# Altium PCB MB988.PcbDoc (part 2 of 4) (continued)
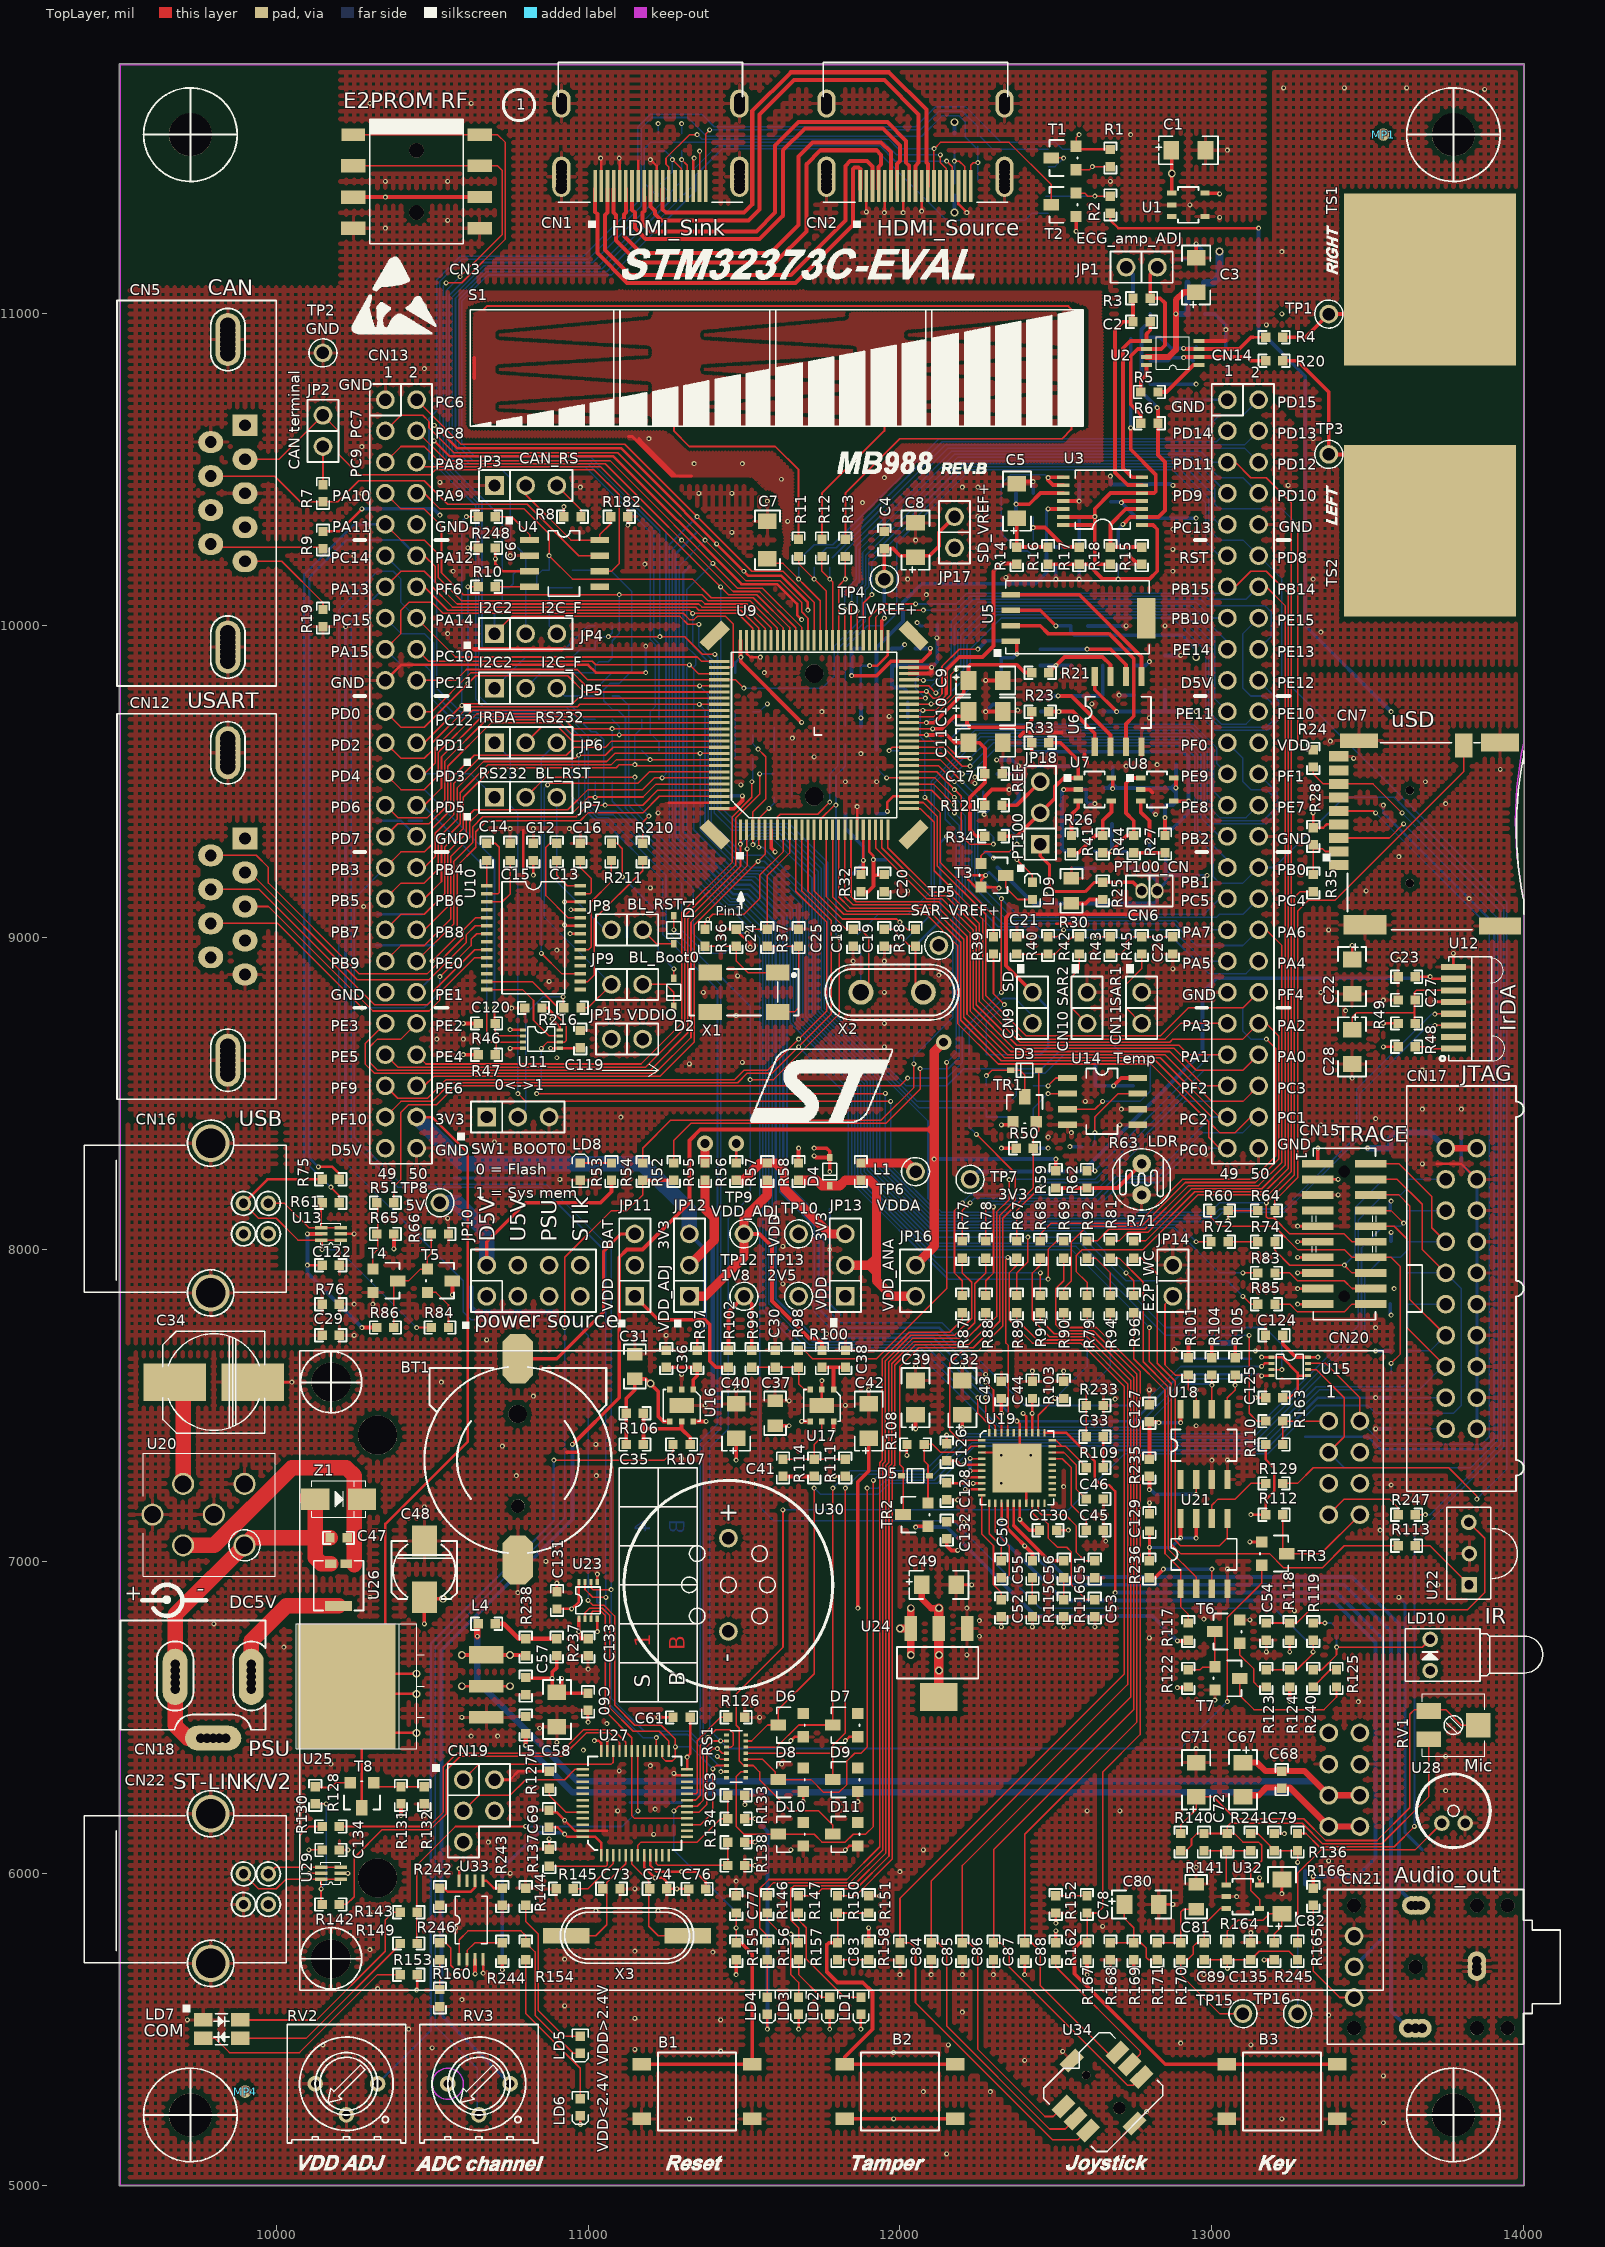
[diagram p0: TopLayer view]
## Nets (pads, with @x,y where several pads share a name; then routed paths per layer and width w, separated by ;. In a path a pad name is that pad's centre, name@x,y a point inside that pad or via, vN(x,y) a via of type N, cw(c..) or ccw(c..) an arc to the next point about the centre after c; other vN are vias at no path point) (continued)
HDMI_5V_SINK: CN1.18 R1.1 R172.2 R173.2 SB3.1 T1.1 | length 386.7
  TopLayer w5: CN1.18@11357.48,11410 v1(11357.48,11522.52) ; T1.1@12565,11537.5 12565,11565 v1(12575,11575)
  TopLayer w8: T1.1@12562.5,11527.5 R1.1@12675,11527.5
  BottomLayer w5: R173.2@11225,11577.5 v1(11225,11610) ; R172.2@11300,11577.5 v1(11300,11610)
  BottomLayer w12: v2(12175,11325) SB3.1@12175,11380
HDMI_5V_SOURCE: C1.1 R174.1 U1.1 | length 173.2
  TopLayer w12: U1.1@12871.85,11387.4 C1.1@12871.85,11523.15
  BottomLayer w12: R174.1@12175,11577.5 v2(12175,11615)
  other v2: 12871.85,11450
IRDA_RXD: JP6.1 U12.4 | length 4791.9
  TopLayer w5: v1(10775,8500) 10800,8475 v1(11970,8475) ; v1@13716.3,8756.3 U12.4@13775,8756.3
  BottomLayer w5: JP6.1@10700,9625 10750,9575 10750,9425 10775,9400 v1(10775,8500) ; v1(11970,8475) 11970,8269.14 12129.14,8110 13005,8110 13025,8130 13230,8130 13465,8365 13465,8515 13705,8755 v1(13715,8755)
LED_STLINK: R143.1 R149.1 U27.30 | length 1224.7
  TopLayer w5: R149.1@10450,5777.5 10450,6025 10575,6150 v1(10800,6150) ; R143.1@10452.5,5872.5 R143.1@10452.5,5875 ; v1@11159.84,6200.16 U27.30@11159.84,6392.32
  BottomLayer w5: v1(10800,6150) 11110,6150 v1(11160,6200)
MCO: U27.29
NetB3_2: B3.2 B3.3 C78.2 R90.1 R167.1 | length 3359.3
  TopLayer w5: R90.1@12527.5,7797.5 R90.1@12525,7797.5 12525,7770 12545,7750 12630,7750 12770,7610 12770,6445 12650,6325 12650,5890 12632.56,5872.56 C78.2@12599.72,5872.56 C78.2@12600,5872.28 ; R167.1@12600,5777.5 C78.2@12600,5872.28 ; C78.2@12602.72,5875 C78.2@12600,5872.28
  TopLayer w12: R167.1@12600,5777.5 12577.5,5777.5 12560,5760 12560,5678 12850.5,5387.5 B3.3@13402.17,5387.5
NetBT1_1: BT1.1 JP11.3 | length 654.9
  TopLayer w10: BT1.1@10775,7650 10900,7650 11050,7800 11050,7995 11105,8050 JP11.3@11150,8050
NetC2_2: C2.2 R3.1 U3.6 | length 694.1
  TopLayer w12: C2.2@12747.5,10985 R3.1@12747.5,11050 ; C2.2@12747.56,10975.28 12715.28,10975.28 12690,10950 12690,10491.66 12730.48,10451.18 U3.6@12775.98,10451.18
NetC13_1: C13.1 U10.24 | length 333.9
  TopLayer w5: C13.1@10899.72,9302.56 10877.56,9302.56 10865,9290 10865,9135 10936.02,9063.98 U10.24@10974.61,9063.98
NetC13_2: C13.2 U10.28 | length 136.2
  TopLayer w5: C13.2@10899.72,9247.56 10899.72,9200.28 10933.66,9166.34 U10.28@10974.61,9166.34
NetC14_1: C14.1 U10.1 | length 81
  TopLayer w5: U10.1@10675.39,9166.34 C14.1@10675.39,9247.33
NetC14_2: C14.2 U10.2 | length 231.2
  TopLayer w5: C14.2@10675.28,9302.44 10702.56,9302.44 10715,9290 10715,9145 10710.75,9140.75 U10.2@10675.39,9140.75
NetC19_1: C19.1 R38.2 X2.1 | length 280.6
  TopLayer w5: C19.1@11950,9027.5 11977.5,9027.5 12032.5,8972.5 R38.2@12050,8972.5 12050,8850 X2.1@12075,8825
NetC21_2: C21.2 R40.2 R42.1 | length 222.8
  TopLayer w5: C21.2@12375,8947.5 12497.5,8947.5 12552.5,9002.5 R42.1@12575,9002.5
NetC24_1: C24.1 R36.1 X1.1 | length 296.1
  TopLayer w5: R36.1@11375,8972.5 C24.1@11475,8972.5 11475,8925 11512.01,8887.99 X1.1@11608.27,8887.99
NetC26_2: C26.2 R43.2 R45.1 | length 234.5
  TopLayer w5: R43.2@12675,8947.5 12707.5,8947.5 12725,8965 12725,8985 12742.5,9002.5 C26.2@12875,9002.5
NetC29_2: C29.2 CN16.0 R76.2 | length 50.9
  TopLayer w5: CN16.0@9790,7861 CN16.0@9826,7825
NetC33_2: C33.2 R94.1 R233.1 | length 429.6
  TopLayer w5: C33.2@12597.5,7400 12597.5,7547.5 v1(12600,7550) ; v1(12675,7770) R94.1@12675,7797.5
  BottomLayer w5: v1(12600,7550) 12675,7625 v1(12675,7770)
NetC50_1: C50.1 U19.12 | length 278.3
  TopLayer w5: U19.12@12306.1,7187.01 12306.1,7093.9 12350,7050 12350,6955 12342.5,6947.5 C50.1@12325,6947.5
NetC50_2: C50.2 U19.11 | length 200.5
  TopLayer w5: U19.11@12286.42,7187.01 12286.42,7088.58 12325,7050 C50.2@12325,7002.5
NetC52_1: C52.1 U19.10 | length 360
  TopLayer w5: U19.10@12262.01,7211.42 12262.01,7087.99 12300,7050 12300,6925 12325,6900 C52.1@12325,6877.5
NetC72_2: C72.2 R141.1 R241.2 U32.1 | length 261.4
  TopLayer w5: R141.1@12975,6072.5 R241.2@13125,6072.5 ; U32.1@13046.85,5962.4 13046.85,6069.35 C72.2@13050,6072.5
NetC78_1: C78.1 R152.2 | length 99.7
  TopLayer w5: R152.2@12500.06,5927.56 C78.1@12599.72,5927.56
NetC80_1: C80.1 R168.1 R169.2 R171.1 | length 325.3
  TopLayer w5: R168.1@12675,5777.5 12772.5,5777.5 12790,5760 12790,5730 12797.5,5722.5 R171.1@12825,5722.5 ; C80.1@12720,5900 12720,5855 12750,5825 R169.2@12750,5777.5
NetC82_1: C82.1 R164.2 R245.1 | length 338.1
  TopLayer w5: R164.2@13050,5777.5 13050,5815 13085,5850 13165,5850 13185,5870 C82.1@13225,5870 13225,5830 13200,5805 R245.1@13200,5777.5
NetC83_1: C83.1 R158.2 | length 100
  TopLayer w5: C83.1@11800,5722.5 R158.2@11900,5722.5
NetC83_2: B2.2 B2.3 C83.2 R150.1 R151.1 | length 1103
  TopLayer w5: C83.2@11800,5777.5 R150.1@11800,5872.5 R151.1@11900,5872.5
  TopLayer w12: C83.2@11800,5777.5 11772.5,5777.5 11765,5770 11765,5685 11800,5650 11881,5650 11912,5619 11912,5500 11822.83,5410.84 B2.2@11822.83,5387.5 ; B2.2@11835,5387.5 B2.3@12177.17,5387.5
NetC89_2: C89.2 R170.2 TP15.1 U32.3 | length 563
  TopLayer w5: U32.3@13046.85,5887.6 13027.6,5887.6 12975.28,5835.28 C89.2@12975.28,5777.44 12952.44,5777.44 12940,5765 12940,5740 12922.5,5722.5 R170.2@12900,5722.5 12900,5675 13025,5550 TP15.1@13100,5550
NetC90_2: C3.1 C90.2 L2.1 U2.7 | length 477.5
  TopLayer w20: U2.7@12790.31,10862.2 12862.2,10862.2 12885,10885 12885,11045 12910,11070 C3.1@12950,11070
  BottomLayer w20: v1(12885,11000) 12885.28,10999.72 C90.2@12922.56,10999.72 12922.5,10999.78 L2.1@12922.5,11100
NetC118_2: C118.2 R39.2 R212.1 | length 455.8
  TopLayer w5: R39.2@12300,8947.5 12300,8820 v1(12335,8785)
  BottomLayer w5: v1(12335,8785) 12277.5,8727.5 R212.1@12277.5,8625 C118.2@12372.5,8625
NetCN1_13: CN1.13 CN2.13 T2.3 | length 1637.2
  TopLayer w5: CN1.13@11259.06,11410 11259.06,11470.94 11250,11480 11250,11500 11325,11575 v1(11350,11575) ; CN2.13@12109.06,11400 v1@12109.06,11530 ; v1(12110,11530) 12130,11550 12350,11550 12485,11415 T2.3@12485,11350.5
  BottomLayer w5: v1(11350,11575) 11365,11560 11965,11560 11995,11530 v1(12110,11530)
NetCN6_1: CN6.1 JP18.1 R25.1 | length 468.4
  TopLayer w10: 12450,9262.5 JP18.1@12450,9300 ; 12453.57,9258.93 12480,9232.5 12480,9165 12497.5,9147.5 12593.82,9147.5 12623.82,9177.5 R25.1@12650,9177.5
  TopLayer w12: R25.1@12650,9177.5 12747.5,9177.5 CN6.1@12775,9150
NetCN7_10: CN7.10 R64.1 | length 1792.6
  TopLayer w5: R64.1@13202.5,8125 13202.5,8157.5 13275,8230 13275,9085 13310,9120 13395,9120 13808.23,9533.23 CN7.10@13808.23,9616.93
NetCN13_43: CN13.43 R95.2 | length 1990.3
  TopLayer w5: CN13.43@10350,8625 10390,8585 11185,8585 11310,8710 11310,9070 11472.93,9232.93 11472.93,9382.93 11550,9460 v1(11550,9525)
  BottomLayer w5: v1(11550,9525) R95.2@11597.5,9525
NetCN13_44: CN13.44 R93.2 | length 1860.5
  TopLayer w5: CN13.44@10450,8625 10480,8595 11170,8595 11300,8725 11300,9080 11462.93,9242.93 11462.93,9387.93 11525,9450 v1(11525,9500)
  BottomLayer w5: v1(11525,9500) 11527.5,9502.5 R93.2@11527.5,9575
NetCN14_2: CN14.2 SB8.1 | length 1677
  BottomLayer w5: SB8.1@11683,10218 11725,10260 11785,10260 12125,10600 12950,10600 13025,10675 13100,10675 CN14.2@13150,10725
NetCN14_3: CN14.3 SB9.1 | length 1485.6
  BottomLayer w5: SB9.1@11733,10218 11765,10250 11795.86,10250 12135.86,10590 13015,10590 CN14.3@13050,10625
NetCN14_4: CN14.4 SB10.1 | length 1535.6
  BottomLayer w5: SB10.1@11783,10218 12145,10580 13105,10580 CN14.4@13150,10625
NetCN14_6: CN14.6 SB11.1 | length 1500.3
  BottomLayer w5: SB11.1@11825,10220 11825,10240 12155,10570 13105,10570 CN14.6@13150,10525
NetCN14_16: CN14.16 SB14.1 | length 1896.6
  BottomLayer w5: SB14.1@12168,9792 12215,9839 12215,9940 12310,10035 12890,10035 12990,9935 12990,9710 13025,9675 13175,9675 13200,9700 13200,9745 13170,9775 13125,9775 13100,9800 13100,9975 CN14.16@13150,10025
NetCN14_20: CN14.20 SB13.1 | length 1685.4
  BottomLayer w5: SB13.1@12168,9742 12225,9799 12225,9925 12325,10025 12875,10025 12980,9920 12980,9695 13010,9665 13180,9665 13215,9700 13215,9760 CN14.20@13150,9825
NetCN14_25: CN14.25 SB17.2 | length 988.8
  BottomLayer w5: SB17.2@12163,9700 12178,9685 12940,9685 13015.46,9609.54 13015.46,9559.54 CN14.25@13050,9525
NetCN14_27: CN14.27 SB16.2 | length 1078.4
  BottomLayer w5: SB16.2@12168,9643 12200,9675 12935.86,9675 13005.46,9605.39 13005.46,9469.54 CN14.27@13050,9425
NetCN14_28: CN14.28 SB18.1 | length 1254.2
  BottomLayer w5: SB18.1@12168,9592 12241,9665 12931.72,9665 12995.46,9601.25 12995.46,9414.54 13025,9385 13110,9385 CN14.28@13150,9425
NetCN15_14: CN15.14 R60.1 R230.1 | length 1050.2
  TopLayer w5: R60.1@12997.5,8125 12997.5,8102.5 13025,8075 13200,8075 13275,8000 13425,8000 13450,7975 13575,7975 13605,7945 13605,7665 v1(13575,7635)
  BottomLayer w5: R230.1@13575,7602.5 v1(13575,7635)
NetCN15_16: CN15.16 R74.1 R223.1 | length 714.3
  TopLayer w5: R74.1@13202.5,8025 13202.5,7997.5 13250,7950 v1(13425,7950) 13450,7925 CN15.16@13510,7925
  BottomLayer w5: v1(13425,7950) 13460,7985 13460,8135 13550,8225 R223.1@13572.5,8225
NetCN15_18: CN15.18 R83.1 | length 328.2
  TopLayer w5: R83.1@13202.5,7925 13250,7925 13275,7900 13425,7900 13450,7875 CN15.18@13510,7875
NetCN15_20: CN15.20 R85.1 | length 328.2
  TopLayer w5: R85.1@13202.5,7825 13250,7825 13275,7800 13425,7800 13450,7825 CN15.20@13510,7825
NetCN16_2: CN16.2 R61.2 U13.3 U13.4 | length 343.1
  TopLayer w5: CN16.2@9975,8148 10027,8148 10105.32,8069.69 U13.3@10206.3,8069.69 ; U13.4@10143.7,8069.69 R61.2@10143.7,8146.2 ; R61.2@10145.5,8148 R61.2@10147.5,8150
NetCN16_3: CN16.3 R75.2 R84.2 U13.1 U13.6 | length 1124.5
  TopLayer w5: CN16.3@9895,8148 9943,8100 10000,8100 10069.68,8030.31 U13.1@10206.3,8030.31 ; v1(10147.5,8000) U13.6@10147.5,8026.52 ; v1(10450,7750) R84.2@10497.5,7750
  TopLayer w8: CN16.3@9895,8148 9972,8225 R75.2@10147.5,8225
  BottomLayer w5: v1(10147.5,8000) 10200,8000 v1(10450,7750)
NetCN17_11: CN17.11 R228.1 R229.2 | length 197.5
  BottomLayer w5: R229.2@13627.5,7750 R228.1@13627.5,7825 CN17.11@13750,7825
NetCN17_17: CN17.17 R232.2 | length 122.5
  BottomLayer w5: R232.2@13627.5,7525 CN17.17@13750,7525
NetCN17_19: CN17.19 R234.2 | length 122.5
  BottomLayer w5: R234.2@13627.5,7425 CN17.19@13750,7425
NetCN18_1: CN18.1 U26.1 | length 481.6
  TopLayer w50: CN18.1@9920,6590 9920,6745 10032.5,6857.5 U26.1@10200,6857.5
NetCN18_3: C47.2 CN18.2 CN18.3 U20.2 U26.2 Z1.1 | length 1363.3
  TopLayer w50: CN18.2@9817.95,6433.15 9716.85,6433.15 9675.91,6474.1 9675.91,6829.05 9922.13,7075.28 C47.2@10172.56,7075.28 ; Z1.1@10100,7200 Z1.1@10100,7205 ; Z1.1@10125.2,7200 10125.2,7012.3 10145,6992.5 U26.2@10175,6992.5
NetCN22_2: CN22.2 R130.2 U29.3 U29.4 | length 425.5
  TopLayer w5: CN22.2@9975,5998 9996.68,6019.69 U29.3@10206.3,6019.69 ; 10075,6019.69 10075,6120 10105,6150 R130.2@10147.5,6150
NetCN22_3: CN22.3 R128.2 R142.2 U29.1 U29.6 | length 734.5
  TopLayer w5: CN22.3@9895,5998 9943,5950 10000,5950 10030.32,5980.31 U29.1@10206.3,5980.31 ; R128.2@10125,6222.5 v1(10160,6222.5) ; R142.2@10143.7,5903.8 U29.6@10143.7,5980.31
  BottomLayer w5: v1(10143.7,5950) 10160,5966.3 v1(10160,6222.5)
NetD2_1: D2.1 R211.1 | length 525.6
  TopLayer w5: R211.1@11075,9302.5 11092.5,9302.5 11110,9285 v1(11110,9195) ; D2.1@11275,8870 v1(11275,8900)
  BottomLayer w5: v1(11110,9195) 11225,9080 11225,8950 v1(11275,8900)
NetD3_1: D3.1 R50.1 TR1.1 U19.1 | length 1417.4
  TopLayer w5: U19.1@12262.01,7388.58 12191.42,7388.58 12160,7420 12160,7635 12200,7675 12250,7675 12330,7755 12330,8100 12427.5,8197.5 12427.5,8362.5 12445,8380 D3.1@12445,8575
NetD5_1: D5.1 R108.1 TR2.1 U19.2 | length 395.4
  TopLayer w5: TR2.1@12090,7187.5 12090,7310 12077.5,7322.5 R108.1@12077.5,7375 12105,7375 12130,7350 12210,7350 12228.9,7368.9 U19.2@12262.01,7368.9
NetJP1_1: JP1.1 R179.2 | length 159.3
  BottomLayer w12: JP1.1@12725,11150 12747.5,11127.5 R179.2@12747.5,11000
NetJP3_3: JP3.3 R8.1 | length 132.1
  TopLayer w5: JP3.3@10900,10450 10977.5,10372.5 R8.1@10977.5,10350
NetJP4_1: CN2.15 JP4.1 R185.1 R189.2 R220.1 R221.1 R222.1 SB1.2 | length 6453.2
  TopLayer w5: JP4.1@10700,9975 10755,10030 11295,10030 11320,10005 v1(11355,10005) ; v1(12130,11510) 12130,11485 12148.43,11466.57 CN2.15@12148.43,11410
  BottomLayer w5: JP4.1@10700,9975 10700,10050 10725,10075 R185.1@10725,10122.5 10747.5,10122.5 10760,10135 10760,10165 10772.5,10177.5 R189.2@10800,10177.5 10800,10225 10750,10275 10750,10475 10725,10500 10600,10500 10555,10545 10555,11060 10660,11165 11015,11165 11225,11375 SB1.2@11225,11387 ; SB1.2@11218,11382 11180,11420 11180,11530 11200,11550 11950,11550 11990,11510 v1(12130,11510) ; v1(11355,10005) 11355,9935 11405,9885 11405,9400 11460,9345 11625,9345 11748,9222 11748,8768.42 12061.42,8455 12270,8455 12277.5,8447.5 R220.1@12277.5,8425 R222.1@12372.5,8425 R221.1@12372.5,8325
NetJP4_3: JP4.3 R186.2 R195.2 | length 232.9
  BottomLayer w5: JP4.3@10900,9975 10875,10000 R186.2@10875,10122.5 R195.2@10950,10122.5
NetJP5_1: CN2.16 JP5.1 R190.1 R192.2 R213.1 R217.1 R218.1 SB2.2 | length 6791.5
  TopLayer w5: v1(11065,9965) 11310,9965 11366.39,9908.61 v1(11406.39,9908.61) ; v1(12150,11490) 12168.11,11471.89 CN2.16@12168.11,11410
  BottomLayer w5: JP5.1@10700,9800 10800,9900 10950,9900 10975,9925 R192.2@11022.5,9925 11022.5,9947.5 11040,9965 v1(11065,9965) 11077.5,9977.5 R190.1@11077.5,10000 ; v1(11230,9965) 11230,10305 11005,10530 10629.85,10530 10585,10574.85 10585,11045.86 10674.14,11135 11060,11135 SB2.2@11300,11375 ; SB2.2@11307,11382 11335,11410 11335,11460 11415,11540 11935,11540 11985,11490 v1(12150,11490) ; v1(11406.39,9908.61) 11415,9900 11415,9410 11470,9355 11635,9355 11758,9232 11758,8772.56 12055.56,8475 12355,8475 12372.5,8492.5 12372.5,8552.5 12385,8565 12465,8565 12525,8625 R213.1@12572.5,8625 ; 12220,8475 12225,8480 12230,8475 ; 12225,8475 R217.1@12225,8522.5
NetJP5_3: JP5.3 R187.2 R191.2 | length 230.6
  BottomLayer w5: JP5.3@10900,9800 10925,9775 R187.2@11022.5,9775 11022.5,9795 R191.2@11077.5,9850
NetJP7_2: JP7.2 R210.1 | length 616.3
  TopLayer w5: JP7.2@10800,9450 10865,9515 v1(11150,9515) ; R210.1@11175,9302.5 11175,9370 v1(11195,9390)
  BottomLayer w5: v1(11150,9515) 11150,9435 v1(11195,9390)
NetJP8_1: D1.2 JP8.1 | length 118.6
  TopLayer w5: JP8.1@11175,9025 11220,8980 D1.2@11275,8980
NetJP8_2: JP7.3 JP8.2 | length 489.2
  BottomLayer w5: JP7.3@10900,9450 10900,9180 JP8.2@11055,9025
NetJP9_1: D2.2 JP9.1 | length 155.4
  TopLayer w5: JP9.1@11175,8850 11250,8850 11275,8825 D2.2@11275,8780
NetJP11_2: JP11.2 U9.6 | length 1682.6
  TopLayer w12: U9.6@11587.2,9345.87 11587.2,9287.8 v1(11600,9275)
  VCC w10: JP11.2@11150,7950 11115,7950 11060,8005 11060,8535 11125,8600 11125,8705 11600,9180 v1(11600,9275)
NetJP12_2: JP12.2 R55.2 | length 318.1
  TopLayer w30: JP12.2@11325,7950 11405,8030 11405,8100 11375,8130 R55.2@11375,8222.5
NetJP18_3: JP18.3 R121.1 | length 153.6
  TopLayer w12: R121.1@12327.5,9425 12375,9425 JP18.3@12450,9500
NetL4_2: C67.1 C68.1 CN20.13 CN20.14 L4.2 | length 3595.7
  TopLayer w5: C67.1@13090,6350 C67.1@13100,6350
  TopLayer w20: v1(10645,6760) 10645,6797.5 L4.2@10647.5,6800 ; C67.1@13100,6355 13145,6355 13172.44,6327.56 13297.44,6327.56 CN20.13@13375,6250 CN20.14@13475,6250
  BottomLayer w20: v1(10645,6760) 10645,6615 10965,6295 13330,6295 CN20.13@13375,6250 CN20.14@13475,6250
NetL5_2: C67.2 C68.2 CN20.15 CN20.16 L5.2 | length 3277.3
  TopLayer w15: v1(10800,6410) L5.2@10800,6447.5
  TopLayer w20: C67.2@13080,6250 13150,6250 13175,6275 13250,6275 CN20.15@13375,6150 CN20.16@13475,6150
  BottomLayer w20: v1(10800,6410) 10950,6260 13265,6260 CN20.15@13375,6150 CN20.16@13475,6150
NetLD1_2: LD1.2 R147.2 | length 383.6
  TopLayer w5: R147.2@11675,5872.5 11675,5850 11700,5825 11700,5725 11822.5,5602.5 LD1.2@11875,5602.5
NetLD2_2: LD2.2 R157.2 | length 177.5
  TopLayer w5: R157.2@11675,5722.5 11675,5675 11747.5,5602.5 LD2.2@11775,5602.5
NetLD3_2: LD3.2 R146.2 | length 311.4
  TopLayer w5: R146.2@11575,5872.5 11575,5850 11650,5775 11650,5675 11675,5650 LD3.2@11675,5602.5
NetLD4_2: LD4.2 R156.2 | length 120
  TopLayer w5: LD4.2@11575,5602.5 R156.2@11575,5722.5
NetLD6_2: LD6.2 R154.1 | length 517.5
  TopLayer w5: R154.1@10800,5722.5 10800,5550 10975,5375 LD6.2@10975,5277.5
NetLD7_2: LD7.2 R143.2 | length 715.1
  TopLayer w5: LD7.2@9884.06,5529.53 10129.53,5529.53 10350,5750 10350,5850 10375,5875 R143.2@10397.5,5875
NetLD7_3: LD7.3 R149.2 | length 641
  TopLayer w5: LD7.3@9884.06,5470.47 10095.47,5470.47 10397.5,5772.5 R149.2@10397.5,5775
NetLD7_4: LD7.4 R153.1 | length 753.9
  TopLayer w5: LD7.4@9765.94,5470.47 9804.53,5470.47 9850,5425 10075,5425 10325,5675 R153.1@10397.5,5675
NetLD9_1: LD9.1 R206.2 | length 151.1
  TopLayer w5: v1(12375,9250) 12425,9200 LD9.1@12425,9177.5
  BottomLayer w5: R206.2@12327.5,9275 12350,9275 v1(12375,9250)
NetLD9_2: LD9.2 T3.3 | length 140
  TopLayer w5: T3.3@12340,9199.5 12340,9160 12377.5,9122.5 LD9.2@12425,9122.5
NetR4_2: C91.1 R4.2 R177.2 U2.3 | length 442.9
  TopLayer w8: 13133.12,10925 R4.2@13172.5,10925
  TopLayer w12: v1(12910,10890) 12912.2,10887.8 13087.8,10887.8 13125,10925 13133.12,10925
  BottomLayer w12: R177.2@12802.5,10925 12835,10925 12870,10890 12945,10890 C91.1@12950,10895
NetR6_2: C98.2 R6.2 R179.1 R184.1 U3.2 | length 979.8
  TopLayer w12: v1(12715,10325) 12738.82,10348.82 12828.82,10348.82 12850,10370 12850,10525 12827.5,10547.5 v1@12827.5,10697.5
  BottomLayer w5: v1(12825,10700) v1@12827.5,10702.5
  BottomLayer w12: v1(12715,10325) 12700,10310 C98.2@12700,10252.5 R184.1@12775,10252.5 ; R179.1@12802.5,11000 12802.5,10977.5 12775,10950 12775,10750 v1(12825,10700)
NetR7_2: JP2.1 R7.2 | length 122.5
  TopLayer w5: R7.2@10150,10452.5 JP2.1@10150,10575
NetR9_2: CN5.9 R9.2 | length 350.5
  TopLayer w5: CN5.9@9799.5,10252.5 R9.2@10150,10252.5
NetR10_2: R10.2 U4.4 | length 110
  TopLayer w5: R10.2@10702.5,10125 U4.4@10812.5,10125
NetR15_2: R15.2 R18.2 U3.3 | length 294
  TopLayer w12: R15.2@12775,10252.5 R18.2@12675,10252.5 12675,10325 12724.41,10374.41 U3.3@12775.98,10374.41
NetR16_2: C5.1 R14.2 R16.2 | length 192.5
  TopLayer w12: C5.1@12375,10345 R14.2@12375,10252.5 R16.2@12475,10252.5
NetR17_2: C96.1 R17.2 R181.2 | length 248.4
  TopLayer w12: v1(12427.5,10315) 12465,10315 12527.5,10252.5 R17.2@12575,10252.5
  BottomLayer w5: C96.1@12427.5,10275 R181.2@12427.5,10350
NetR19_2: CN5.5 R19.2 | length 327.2
  TopLayer w5: CN5.5@9900,10207 10018,10207 10150,10075 R19.2@10150,10052.5
NetR20_2: C91.2 R20.2 R178.2 U2.2 | length 414.3
  TopLayer w12: v1(12910,10860) 12912.2,10862.2 13112.8,10862.2 13125,10850 R20.2@13172.5,10850
  BottomLayer w12: R178.2@12802.5,10850 12860.31,10850 12870.31,10860 12930,10860 C91.2@12940,10850
NetR26_1: R26.1 U7.3 | length 119.1
  TopLayer w12: R26.1@12550,9327.5 12550,9395 12571.85,9416.85 U7.3@12571.85,9437.6
NetR27_2: R27.2 R44.1 | length 102.5
  TopLayer w12: R44.1@12747.5,9272.5 R27.2@12850,9272.5
NetR28_1: CN7.2 R28.1 R35.1 | length 167.7
  TopLayer w5: R35.1@13325,9202.5 13325,9285 13355,9285 13363.62,9276.38 CN7.2@13406.65,9276.38
NetR29_1: R29.1 R31.1 R93.1 | length 150
  BottomLayer w5: R93.1@11472.5,9575 R31.1@11472.5,9725
NetR30_2: R25.2 R30.2 | length 105.2
  TopLayer w12: R30.2@12550,9110 12595,9110 12607.5,9122.5 R25.2@12650,9122.5
NetR41_2: R26.2 R41.2 U7.4 | length 244.5
  TopLayer w12: R26.2@12550,9272.5 12572.5,9272.5 12627.5,9327.5 R41.2@12650,9327.5 12650,9375 12678.15,9403.15 U7.4@12678.15,9437.6
NetR42_2: CN10.2 R42.2 | length 253.6
  TopLayer w5: R42.2@12575,8947.5 12575,8900 12550,8875 12550,8775 CN10.2@12600,8725
NetR44_2: C113.2 C114.1 R41.1 R44.2 R209.1 U8.1 | length 575.2
  TopLayer w12: R41.1@12650,9272.5 12672.5,9272.5 12727.5,9327.5 R44.2@12750,9327.5 12750,9375 12725,9400 12725,9495 12742.4,9512.4 U8.1@12771.85,9512.4
  BottomLayer w5: R209.1@12625,9277.5 R209.1@12625.06,9277.44 ; 12670,9277.44 12680,9287.44 12690,9277.44 ; 12695,9277.44 12695,9280
  BottomLayer w12: R209.1@12625.06,9277.44 C113.2@12724.72,9277.44 12724.65,9277.5 12722.5,9277.5 C113.2@12722.56,9277.44 ; v1(12680,9277.44) C114.1@12680,9365
NetR45_2: CN11.2 R45.2 | length 263.9
  TopLayer w5: CN11.2@12775,8725 12725,8775 12725,8850 12775,8900 R45.2@12775,8947.5
NetR48_2: R48.2 U12.1 | length 124.9
  TopLayer w5: R48.2@13652.5,8650 13700,8650 13705.91,8644.09 U12.1@13775,8644.09
NetR49_2: C27.1 C28.1 R49.2 U12.6 | length 485.4
  TopLayer w5: C28.1@13450,8705 13450,8745 13465,8760 13650,8760 ; R49.2@13650,8727.5 13650,8825 13656.1,8831.1 U12.6@13775,8831.1 ; 13650,8755 13645,8760 13650,8765
NetR52_2: R52.2 R54.2 RV3.2 | length 3463.2
  TopLayer w5: v1(10925,7750) 10925,7975 11075,8125 11125,8125 11175,8175 R54.2@11175,8222.5
  TopLayer w12: R54.2@11175,8222.5 R52.2@11275,8222.5
  BottomLayer w5: RV3.2@10645,5220 10645,5375 10510,5510 10510,6725 10925,7140 v1(10925,7750)
NetR53_1: LD8.1 R53.1 | length 100
  TopLayer w5: LD8.1@10975,8277.5 R53.1@11075,8277.5
NetR56_1: JP13.3 R56.1 R57.1 | length 499.2
  TopLayer w30: R56.1@11475,8222.5 11497.5,8222.5 11552.5,8277.5 11602.5,8277.5 11630,8250 11630,8195 11775,8050 JP13.3@11825,8050
NetR58_2: D4.2 JP13.2 JP16.2 L1.1 R58.2 | length 911.5
  TopLayer w12: 11920,7920 11890,7950 11925,7985
  TopLayer w30: R58.2@11675,8222.5 11732.5,8222.5 11750,8205 11807.5,8205 11825,8222.5 11902.5,8222.5 11925,8200 11925,7900 11975,7850 JP16.2@12050,7850 ; JP13.2@11825,7950 11925,7950
NetR63_2: R59.1 R62.1 R63.2 | length 338.9
  TopLayer w5: 12752.5,8252.5 R63.2@12775,8275
  TopLayer w12: R59.1@12500,8197.5 12697.5,8197.5 R63.2@12775,8275
NetR67_1: C84.2 R67.1 U34.3 | length 3727.2
  TopLayer w5: C84.2@12000,5777.72 C84.2@12000.28,5777.44 ; R67.1@12375,7972.5 12375,7950 12350,7925 12350,7775 12425,7700 12580,7700 12720,7560 12720,6639.43 12000.28,5919.72 C84.2@12000.28,5777.44 ; U34.3@12602.67,5174.73 12599.73,5174.73 12570,5145 12490,5145 12050,5585 12050,5760 12032.56,5777.44 C84.2@12000.28,5777.44
NetR68_1: C86.2 R68.1 U34.1 | length 3377.3
  TopLayer w5: C86.2@12200,5777.72 C86.2@12202.72,5775 ; C86.2@12200.28,5777.44 12200.28,6025.28 12740,6565 12740,7580 12600,7720 12480,7720 12425,7775 12425,7925 12450,7950 R68.1@12450,7972.5 ; C86.2@12210.01,5777.44 12222.56,5777.44 12250,5750 12250,5435 12465,5220 12492.05,5220 U34.1@12524.73,5252.67
NetR69_1: C88.2 R69.1 U34.6 | length 3025.5
  TopLayer w5: C88.2@12402.72,5775 C88.2@12400.28,5777.44 ; R69.1@12525,7972.5 12525,7900 12500,7875 12500,7760 12520,7740 12620,7740 12760,7600 12760,6485 12400.28,6125.28 C88.2@12400.28,5777.44 ; U34.6@12685,5410 12680,5410 12450,5640 12450,5750 12422.56,5777.44 C88.2@12400.28,5777.44
NetR70_2: R70.2 R80.2 U9.51 | length 218.1
  TopLayer w8: v1(11902.5,9872.5) 11927.5,9872.5 11961.22,9906.22 U9.51@11961.22,9954.13
  BottomLayer w8: R80.2@11875,9802.5 R70.2@11875,9872.5 v1(11902.5,9872.5)
NetR71_1: R71.1 U21.5 | length 1222.1
  TopLayer w5: R71.1@12750,7972.5 12775,7972.5 12825,7922.5 12825,7635 12882.5,7577.5 12882.5,7067.5 12900,7050 13025,7050 13050,7075 U21.5@13050,7137.5
NetR73_1: R73.1 R82.1 R95.1 | length 150
  BottomLayer w5: R73.1@11652.5,9450 R82.1@11652.5,9600
NetR74_2: R72.1 R74.2 | length 95
  TopLayer w5: R72.1@13052.5,8025 R74.2@13147.5,8025
NetR79_1: R79.1 R103.2 U19.32 | length 476.7
  TopLayer w5: U19.32@12443.9,7412.99 12443.9,7468.9 v1(12497.5,7522.5) R103.2@12525,7522.5 ; v1(12600,7770) R79.1@12600,7797.5
  BottomLayer w5: v1(12497.5,7522.5) 12600,7625 v1(12600,7770)
NetR81_1: R81.1 U21.2 | length 1190
  TopLayer w5: R81.1@12675,7972.5 12702.5,7972.5 12780,7895 12780,7640 12860,7560 12860,7040 12950,6950 U21.2@12950,6912.5
NetR82_2: C123.2 R82.2 | length 75
  BottomLayer w5: R82.2@11597.5,9600 C123.2@11597.5,9675
NetR86_2: R66.1 R86.2 T4.3 T5.2 | length 375.9
  TopLayer w5: R86.2@10377.5,7750 T4.3@10377.5,7897.5 ; T4.3@10390,7899.5 10424.5,7899.5 10462.5,7937.5 T5.2@10485,7937.5 10485,7975 10497.5,7987.5 R66.1@10497.5,8050
NetR89_1: C85.2 R89.1 U34.2 | length 3383.7
  TopLayer w5: R89.1@12377.5,7797.5 R89.1@12375,7797.5 12375,7775 12440,7710 12590,7710 12730,7570 12730,6605 12100.28,5975.28 C85.2@12100.28,5777.44 12122.56,5777.44 12150,5750 12150,5510 12480,5180 12530,5180 U34.2@12563.7,5213.7
NetR91_1: C87.2 R91.1 U34.4 | length 3103
  TopLayer w5: R91.1@12450,7797.5 12450,7775 12495,7730 12610,7730 12750,7590 12750,6525 12300.28,6075.28 C87.2@12300.28,5777.44 12322.56,5777.44 12350,5750 12350,5700 12730,5320 12747.95,5320 U34.4@12775.27,5347.33
NetR94_2: R92.2 R94.2 | length 167.2
  TopLayer w5: R92.2@12600,7972.5 12627.5,7972.5 12675,7925 R94.2@12675,7852.5
NetR96_1: R96.1 R117.2 U21.1 | length 1067.5
  TopLayer w5: R96.1@12750,7797.5 12750,7650 12850,7550 12850,7025 12900,6975 12900,6855 12925,6830 R117.2@12925,6802.5
NetR97_1: C36.1 R97.1 U16.1 | length 176.2
  TopLayer w12: C36.1@11250.35,7622.5 R97.1@11350,7622.5 11350,7595 11337.4,7582.4 U16.1@11337.4,7551.18
NetR100_1: C38.1 R100.1 U17.1 | length 174
  TopLayer w12: R100.1@11750,7622.5 11750.06,7622.44 C38.1@11825.28,7622.44 ; 11785,7622.44 11787.4,7620.04 U17.1@11787.4,7551.18 11787.4,7577.6
NetR107_1: C35.1 R106.2 R107.1 U16.5 | length 336
  TopLayer w5: 11177.5,7415 11187.5,7425 11177.5,7435
  TopLayer w12: C35.1@11177.5,7375 R106.2@11177.5,7475 ; 11177.5,7425 11300,7425 ; U16.5@11300,7448.82 11300,7425 ; R107.1@11327.5,7375 11327.5,7397.5 11300,7425
NetR109_1: C33.1 R109.1 | length 100
  TopLayer w8: R109.1@12652.5,7300 C33.1@12652.5,7400
NetR111_1: C41.1 R111.1 R114.2 U17.5 | length 334.2
  TopLayer w5: C41.1@11625,7327.5 R111.1@11827.5,7327.5 ; R114.2@11725,7327.5 11725,7375 11750,7400 U17.5@11750,7448.82
NetR112_1: CN20.8 R112.1 TR3.3 | length 409.5
  TopLayer w5: TR3.3@13227.5,7027.5 R112.1@13227.5,7150 ; TR3.3@13240,7024.5 13349.5,7024.5 CN20.8@13475,7150
NetR113_2: R113.2 U22.1 | length 224.3
  TopLayer w5: R113.2@13652.5,7050 13700,7050 U22.1@13825,6925
NetR115_2: C55.1 R115.2 | length 70
  TopLayer w5: R115.2@12425,6877.5 C55.1@12425,6947.5
NetR116_2: C56.1 R116.2 | length 70
  TopLayer w5: R116.2@12525,6877.5 C56.1@12525,6947.5
NetR119_1: R119.1 SB28.1 | length 70.9
  TopLayer w5: R119.1@13325,6802.5 v1(13362.5,6802.5)
  BottomLayer w5: v1(13362.5,6802.5) 13382.5,6802.5 SB28.1@13392,6793
NetR120_1: CN1.19 R120.1 SB4.1 | length 1354.7
  TopLayer w5: CN1.19@11377.17,11410 11377.17,11577.17 v1(11390,11590)
  BottomLayer w5: v1(11390,11590) 12065,11590 12125,11650 12200,11650 12250,11600 SB4.1@12250,11570 ; SB4.1@12258,11568 12298.5,11527.5 R120.1@12475,11527.5